# Altium PCB netv2mvp-pvt1b.PCBDOC (part 6 of 7) (continued)
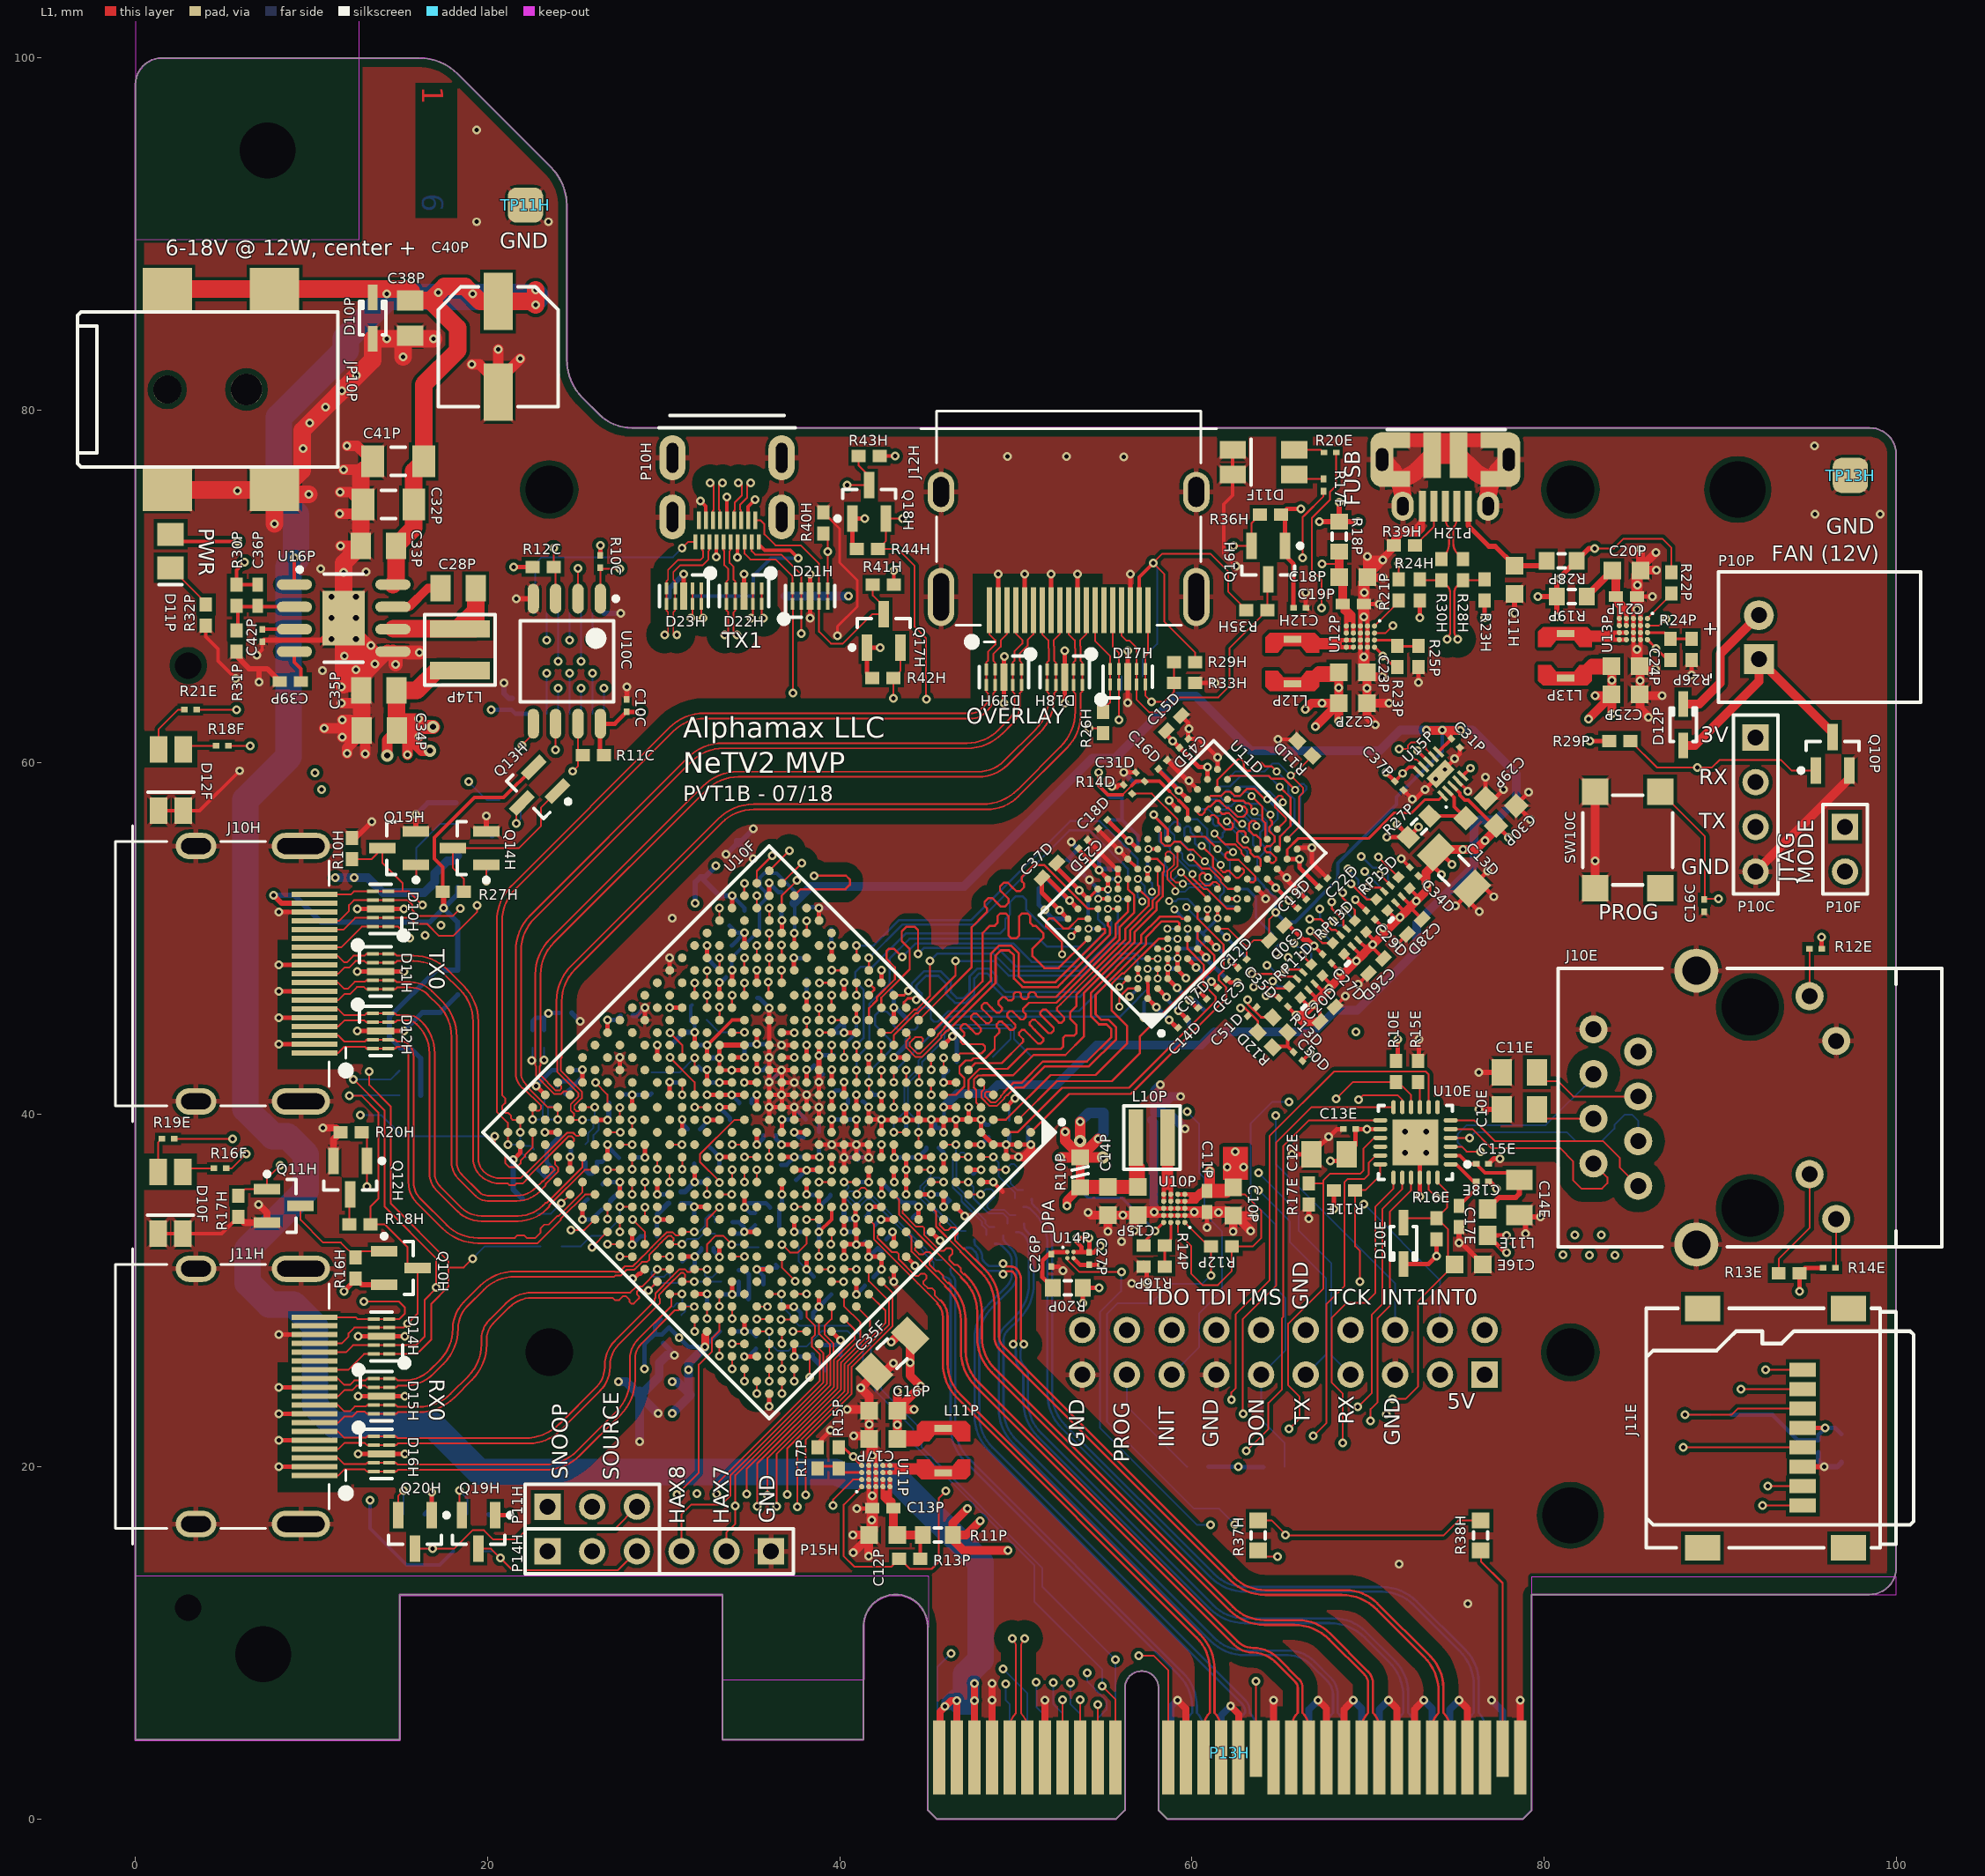
[diagram p0: L1 view]
## Nets (pads, with @x,y where several pads share a name; then routed paths per layer and width w, separated by ;. In a path a pad name is that pad's centre, name@x,y a point inside that pad or via, vN(x,y) a via of type N, cw(c..) or ccw(c..) an arc to the next point about the centre after c; other vN are vias at no path point) (continued)
  L6 w0.099: v1(31.75,30.515) 33.265,30.515 R12H.1@33.27,30.51
RX0_TMDS2_N: D16H.4 D16H.7 J11H.3 R11H.3 U10F.J22 | length 28.1
  L1 w0.099: J11H.3@10.16,20.5 11.51,20.5 11.86,20.15 13.075,20.15 13.15,20.225 D16H.4@13.538,20.225 D16H.7@14.413,20.225 14.8,20.225 14.9,20.125 23.248,20.125 ccw(c23.248,22.665) 25.044,20.869 27.331,23.156 ccw(c25.535,24.952) 28.075,24.952 28.075,26.112 cw(c29.638,26.112) 28.533,27.217 30.43,29.114 30.43,29.721 U10F.J22@30.343,29.808 v1(31.043,29.808)
  L6 w0.099: R11H.3@30.547,29.077 30.76,29.289 31.007,29.289 31.059,29.341 31.059,29.791 v1(31.043,29.808)
RX0_TMDS2_P: D16H.5 D16H.6 J11H.1 R11H.4 U10F.H22 | length 28.2
  L1 w0.099: J11H.1@10.16,19.5 11.51,19.5 11.86,19.85 13.025,19.85 13.15,19.725 D16H.5@13.538,19.725 D16H.6@14.413,19.725 14.8,19.725 14.9,19.825 23.247,19.825 ccw(c23.247,22.664) 25.254,20.657 27.542,22.945 ccw(c25.535,24.952) 28.374,24.952 28.374,26.109 cw(c29.641,26.109) 28.745,27.005 30.628,28.888 30.838,28.888 U10F.H22@31.05,29.101 v1(31.75,29.101)
  L6 w0.099: R11H.4@31.007,28.617 31.219,28.829 31.219,29.077 31.271,29.129 31.722,29.129 v1(31.75,29.101)
RX0_TMDS3_N: D15H.1 D15H.10 J11H.12 R14H.2 U10F.L19 | length 28.4
  L1 w0.099: J11H.12@10.16,25 11.51,25 11.86,24.65 12.175,24.65 12.425,24.9 13.05,24.9 13.15,25 D15H.1@13.538,25 D15H.10@14.413,25 14.8,25 14.9,24.9 15.275,24.9 ccw(c15.275,26.952) 16.726,25.501 17.283,26.058 ccw(c15.49,27.85) 18.025,27.85 cw(c20.132,27.85) 18.642,29.34 19.571,30.268 cw(c21.578,28.261) 21.578,31.1 27.21,31.1 27.25,31.06 27.477,31.06 27.807,31.39 28.247,31.39 28.386,31.529 28.388,31.529 28.622,31.763 28.622,31.765 29.093,32.236 29.095,32.236 29.329,32.47 29.329,32.472 29.8,32.943 29.802,32.943 30.036,33.177 30.036,33.179 30.167,33.31 30.518,33.31 30.697,33.131 30.838,33.131 U10F.L19@31.05,33.343 v1(31.75,33.343)
  L6 w0.099: v1(31.75,33.343) 32.013,33.343 32.36,33.69 32.36,34.08 32.59,34.31 32.76,34.31 32.91,34.16 R14H.2@32.91,33.89
RX0_TMDS3_P: D15H.2 D15H.9 J11H.10 R14H.1 U10F.L20 | length 28.4
  L1 w0.099: J11H.10@10.16,24 11.51,24 11.86,24.35 12.299,24.35 12.549,24.6 13.05,24.6 13.15,24.5 D15H.2@13.538,24.5 D15H.9@14.413,24.5 14.8,24.5 14.9,24.6 15.275,24.6 ccw(c15.275,26.949) 16.936,25.288 17.494,25.846 ccw(c15.49,27.85) 18.324,27.85 cw(c20.132,27.85) 18.854,29.129 19.781,30.056 cw(c21.577,28.26) 21.577,30.8 27.19,30.8 27.25,30.86 27.56,30.86 27.89,31.19 28.33,31.19 28.469,31.329 28.47,31.329 28.77,31.629 29.059,31.629 29.177,31.747 29.177,32.036 29.529,32.388 29.529,32.389 29.883,32.743 29.885,32.743 30.236,33.095 30.236,33.096 30.25,33.11 30.435,33.11 30.555,32.99 30.555,32.848 U10F.L20@30.343,32.636 v1(31.043,32.636)
  L6 w0.099: v1(31.043,32.636) 31.347,32.94 31.95,32.94 32.25,33.24 R14H.1@32.91,33.24
SD_CLK: J11E.5 U10F.K18 | length 69.1
  L1 w0.1: U10F.K18@32.464,33.343 32.464,34.039 v1(33.175,34.75) ; v1(87.9,21.1) J11E.5@94.7,21.1
  L3 w0.1: v1(33.175,34.75) 33.825,34.1 35.975,34.1 40.8,29.275 46.275,29.275 49.45,26.1 52.35,26.1 52.675,26.425 77.72,26.425 83.045,21.1 v1(87.9,21.1)
SD_CMD: J11E.3 R18E.2 U10F.L13 | length 72.4
  L1 w0.1: v1(34.593,37.586) U10F.L13@35.293,37.586 ; v1(88,22.95) 90.65,22.95 91,23.3 J11E.3@94.7,23.3
  L3 w0.1: v1(34.593,37.586) 33.729,37.586 33.164,37.02 33.164,36.736 34.036,35.864 34.037,35.864 34.845,35.057 36.543,35.057 38.657,32.943 39.118,32.943 39.3,33.125 39.604,33.125 41.339,31.39 41.339,30.886 42.4,29.825 46.825,29.825 47.3,29.35 52.575,29.35 53.05,28.875 82.95,28.875 88,23.825 v1(88,22.95)
  L6 w0.1: v1(88,22.95) R18E.2@89.425,22.95
SD_DAT0: J11E.7 U10F.L15 | length 69.5
  L1 w0.1: U10F.L15@33.879,36.172 v1(33.879,36.871) ; v1(92.7,18.9) J11E.7@94.7,18.9
  L3 w0.1: v1(33.879,36.871) 34.676,36.871 35.647,35.9 36.925,35.9 38.65,34.175 38.837,34.175 42.937,30.075 47.05,30.075 47.45,29.675 53.4,29.675 53.475,29.75 53.975,29.75 54.4,29.325 83.137,29.325 92.7,19.762 v1(92.7,18.9)
SD_DAT1: J11E.8 U10F.L16 | length 69.3
  L1 w0.1: U10F.L16@33.172,35.464 v1(33.871,35.464) ; v1(92.4,17.8) J11E.8@94.7,17.8
  L3 w0.1: v1(33.871,35.464) 33.871,34.779 34.301,34.349 34.751,34.349 36.967,34.35 38.767,32.55 38.925,32.55 41.9,29.575 46.675,29.575 48.175,28.075 51.55,28.075 52.825,26.8 77.875,26.8 82.4,22.275 87.925,22.275 v1(92.4,17.8) v1@92.425,17.8
SD_DAT2: J11E.1 U10F.K14 | length 68.6
  L1 w0.1: U10F.K14@35.293,36.172 v1(35.293,36.871) ; v1(92.575,25.5) J11E.1@94.7,25.5
  L3 w0.1: v1(35.293,36.871) 36.064,36.1 38.044,36.1 40.392,33.752 40.418,33.752 40.652,33.517 40.652,33.492 43.544,30.6 47.125,30.6 47.75,29.975 54.125,29.975 54.5,29.6 83.251,29.6 89.076,23.775 92.925,23.775 93.5,24.35 93.5,25.125 93.125,25.5 v1(92.575,25.5)
SD_DAT3: J11E.2 U10F.M13 | length 68
  L1 w0.1: v1(33.886,38.293) U10F.M13@34.586,38.293 ; v1(91.175,24.4) J11E.2@94.7,24.4
  L3 w0.1: v1(33.886,38.293) 34.677,38.293 35.113,38.729 35.536,38.729 37.839,36.425 38.001,36.425 40.475,33.952 40.5,33.952 40.852,33.6 40.852,33.574 43.451,30.975 47.175,30.975 47.875,30.275 53.1,30.275 53.525,30.7 55,30.7 55.8,29.9 83.375,29.9 88.875,24.4 v1(91.175,24.4)
SM_N: P13H.B5 U10F.D19 | length 36.3
  L1 w0.099: v1(35.3,28.393) U10F.D19@36,28.393 ; P13H.B5@49.65,3.5 49.65,5.154 cw(c50.847,5.154) 50,6 50,9.766 ccw(c49.316,9.766) v1(49.8,10.25)
  L4 w0.099: v1(35.3,28.393) 35,28.393 34.868,28.525 34.747,28.525 34.625,28.403 34.625,28.3 34.775,28.15 34.95,28.15 35.125,27.975 35.125,24.65 34.875,24.4 34.875,23.95 35.125,23.7 35.125,22.55 ccw(c37.112,22.55) 35.707,21.145 36.446,20.407 ccw(c38.453,22.414) 38.453,19.575 42.049,19.575 cw(c42.049,16.736) 44.057,18.743 49.169,13.631 cw(c47.162,11.624) 50.001,11.624 50.001,10.734 cw(c49.316,10.734) v1(49.8,10.25)
SM_P: P13H.B6 U10F.E19 | length 36.2
  L1 w0.099: U10F.E19@35.293,29.101 v1(35.9,29.101) v1@35.993,29.101 ; v1(50.5,10.25) ccw(c50.984,9.766) 50.299,9.766 50.299,6 cw(c49.453,5.154) 50.65,5.154 P13H.B6@50.65,3.5
  L4 w0.099: v1@35.993,29.101 35.993,28.293 35.425,27.726 35.425,24.65 35.7,24.375 35.7,23.95 35.425,23.675 35.425,22.55 ccw(c37.115,22.55) 35.92,21.355 36.657,20.618 ccw(c38.453,22.414) 38.453,19.874 42.297,19.874 cw(c42.297,17.334) 44.093,19.13 49.556,13.667 cw(c47.76,11.871) 50.3,11.871 50.3,10.734 ccw(c50.984,10.734) v1(50.5,10.25)
SS5.0: C39P.1 U16P.4 | length 2.4
  L1 w0.2: U16P.4@8.436,66.295 U16P.4@9.025,66.295 9.025,65.7 9.4,65.325 C39P.1@9.4,64.6
SW1.0: L10P.1 U10P.D3 U10P.D4 U10P.E3 U10P.E4 | length 7
  L1 w0.25: U10P.D4@58.4,35.075 58.4,35.85 ; U10P.D3@58.8,35.075 U10P.E3@58.8,35.475 58.8,35.85 ; L10P.1@58.8,37.6 58.8,35.85 ; 58.4,35.85 58.4,37.375 58.6,37.175 58.6,35.875 58.775,35.875 58.8,35.85 ; 58.4,35.85 58.8,35.85
SW1.5: L12P.1 U12P.D3 U12P.D4 U12P.E3 U12P.E4 | length 7
  L1 w0.25: 66.65,66.95 68.4,66.95 ; U12P.D4@69.175,66.55 68.4,66.55 ; U12P.D3@69.175,66.95 U12P.E3@68.775,66.95 68.4,66.95 ; 68.4,66.55 68.4,66.95 ; 68.4,66.55 66.875,66.55 67.075,66.75 68.375,66.75 68.375,66.925 68.4,66.95
SW1.8: L11P.1 U11P.D3 U11P.D4 U11P.E3 U11P.E4 | length 7
  L1 w0.25: U11P.D3@42.45,19.675 U11P.E3@42.85,19.675 43.225,19.675 ; U11P.D4@42.45,20.075 43.225,20.075 ; 44.975,19.675 43.225,19.675 ; 43.225,19.675 43.25,19.7 43.25,19.875 44.55,19.875 44.75,20.075 43.225,20.075 ; 43.225,19.675 43.225,20.075
SW3.3: L13P.1 U13P.D3 U13P.D4 U13P.E3 U13P.E4 | length 7
  L1 w0.25: 82.15,67.375 83.9,67.375 ; U13P.D4@84.675,66.975 83.9,66.975 ; U13P.D3@84.675,67.375 U13P.E3@84.275,67.375 83.9,67.375 ; 83.9,66.975 83.9,67.375 ; 83.9,66.975 82.375,66.975 82.575,67.175 83.875,67.175 83.875,67.35 83.9,67.375
SW5.0: C28P.1 L14P.1 U16P.6 | length 8.2
  L1 w1: U16P.6@14.645,67.585 L14P.1@18.425,67.585 19.29,67.585 19.325,67.62 19.325,68.625 ; L14P.1@18.425,67.725 19.325,68.625 ; C28P.1@19.325,69.9 19.325,68.625
SYSCLK: U10F.J19 U11F.3 | length 4.1
  L1 w0.1: U10F.J19@32.464,31.929 32.464,32.639 32.95,33.125 33.375,33.125 v1(33.875,32.625)
  L6 w0.1: v1(33.875,32.625) 34.55,32.625 34.71,32.465 U11F.3@35.394,32.465
TX0_SCL: P11H.3 Q20H.3 R47H.2 | length 15.2
  L1 w0.1: Q20H.3@15.865,15.35 18.1,15.35 19.15,16.4 19.8,16.4 20.325,15.875 21.65,15.875 22.25,16.475 27.215,16.475 P11H.3@28.48,17.74
  L6 w0.1: R47H.2@15.825,15.2 15.975,15.35 v1(16.875,15.35)
TX0_SCL_LV: Q20H.2 R48H.2 U10F.F21 | length 29.9
  L1 w0.1: Q20H.2@14.915,17.25 14.915,18.34 v1(15.225,18.65) ; v1(30.75,18.425) 32,19.675 32,25.8 32.75,26.55 32.75,27.3 33.172,27.722 U10F.F21@33.172,28.393
  L3 w0.1: v1(15.225,18.65) 15.7,19.125 30.05,19.125 v1(30.75,18.425)
  L6 w0.1: R48H.2@15.225,17.3 v1(15.225,18.65)
TX0_SDA: P14H.3 Q19H.3 R45H.2 | length 11.6
  L1 w0.1: Q19H.3@19.49,15.35 20.2,15.35 21.425,14.125 27.405,14.125 P14H.3@28.48,15.2
  L6 w0.1: R45H.2@19.25,15.2 20.35,15.2 v1(20.725,14.825)
TX0_SDA_LV: Q19H.2 R46H.2 U10F.H18 | length 32.7
  L1 w0.1: v1(18.4,18.65) 18.4,17.39 Q19H.2@18.54,17.25 ; U10F.H18@33.879,31.929 v1(34.578,31.929)
  L3 w0.1: v1(18.4,18.65) 18.625,18.875 29.325,18.875 30.6,17.6 31.025,17.6 v1(31.9,18.475)
  L4 w0.1: v1(31.9,18.475) 32.6,19.175 32.6,26.425 34.35,28.175 34.35,28.85 34.578,29.078 34.578,30.768 34.575,30.772 34.575,31.926 v1(34.578,31.929)
  L6 w0.1: v1(18.4,18.65) 18.85,18.2 R46H.2@18.85,17.3
TX0_TMDS0_N: D11H.4 D11H.7 J10H.9 U10F.W22 | length 25.1
  L1 w0.099: J10H.9@10.16,47.5 11.51,47.5 11.86,47.15 12.05,47.15 12.45,47.55 13.025,47.55 13.1,47.625 D11H.4@13.487,47.625 D11H.7@14.362,47.625 14.75,47.625 14.85,47.525 15.597,47.525 cw(c15.597,45.772) 16.836,47.011 17.417,46.43 cw(c15.41,44.423) 18.249,44.423 18.249,37.302 ccw(c19.277,37.302) 18.55,36.575 19.531,35.594 ccw(c20,36.064) 20,35.4 21.664,35.4 ccw(c21.664,36.936) 22.75,35.85 23.09,36.19 cw(c23.175,36.104) 23.175,36.225 23.8,36.85 23.8,36.916 23.683,37.033 23.497,37.033 23.343,36.879 U10F.W22@23.272,36.879
TX0_TMDS0_P: D11H.5 D11H.6 J10H.7 U10F.W21 | length 25.7
  L1 w0.099: J10H.7@10.16,46.5 11.51,46.5 11.86,46.85 12.174,46.85 12.574,47.25 12.975,47.25 13.1,47.125 D11H.5@13.487,47.125 D11H.6@14.362,47.125 14.75,47.125 14.85,47.225 15.599,47.225 cw(c15.599,45.774) 16.625,46.8 17.206,46.219 cw(c15.41,44.423) 17.95,44.423 17.95,37.302 ccw(c19.277,37.302) 18.339,36.364 19.319,35.383 ccw(c20,36.064) 20,35.101 21.664,35.101 ccw(c21.664,36.936) 22.961,35.639 23.253,35.93 ccw(c23.099,36.084) 23.316,36.084 24,36.767 24,36.999 23.825,37.175 23.825,37.361 23.979,37.515 U10F.W21@23.979,37.586
TX0_TMDS1_N: D12H.1 D12H.10 J10H.6 U10F.V20 | length 26.4
  L1 w0.099: J10H.6@10.16,46 11.51,46 11.86,45.65 13,45.65 13.1,45.75 D12H.1@13.487,45.75 D12H.10@14.362,45.75 14.75,45.75 14.85,45.65 15.465,45.65 cw(c15.465,44.665) 16.161,45.361 16.257,45.266 cw(c14.467,43.475) 16.999,43.475 16.999,36.652 ccw(c18.027,36.652) 17.3,35.925 18.498,34.727 ccw(c19.65,35.88) 19.65,34.25 21.726,34.25 ccw(c21.726,36.252) 23.142,34.836 23.289,34.983 23.357,34.983 25.393,37.02 U10F.V20@25.393,37.586
TX0_TMDS1_P: D12H.2 D12H.9 J10H.4 U10F.U20 | length 26.6
  L1 w0.099: J10H.4@10.16,45 11.51,45 11.86,45.35 13,45.35 13.1,45.25 D12H.2@13.487,45.25 D12H.9@14.362,45.25 14.75,45.25 14.85,45.35 15.467,45.35 cw(c15.467,44.667) 15.95,45.15 16.046,45.054 cw(c14.467,43.475) 16.7,43.475 16.7,36.652 ccw(c18.027,36.652) 17.089,35.714 18.286,34.516 ccw(c19.65,35.88) 19.65,33.951 21.726,33.951 ccw(c21.726,36.255) 23.356,34.626 23.498,34.768 23.498,34.842 25.535,36.879 U10F.U20@26.101,36.879
TX0_TMDS2_N: D12H.4 D12H.7 J10H.3 U10F.U21 | length 26.5
  L1 w0.099: J10H.3@10.16,44.5 11.51,44.5 11.86,44.15 13.025,44.15 13.1,44.225 13.1,44.25 D12H.4@13.488,44.25 13.875,44.25 D12H.7@14.362,44.25 14.75,44.25 14.85,44.15 15.117,44.15 cw(c15.117,43.592) 15.511,43.986 cw(c14.817,43.292) 15.799,43.292 15.799,36.168 ccw(c17.168,36.168) 16.2,35.2 17.656,33.744 ccw(c19.452,35.54) 19.452,33 21.55,33 21.7,33.15 22.075,33.15 22.225,33 22.716,33 23,33.284 23,33.525 23.23,33.755 23.47,33.755 23.952,34.236 24.024,34.236 25.393,35.606 U10F.U21@25.393,36.172
TX0_TMDS2_P: D12H.5 D12H.6 J10H.1 U10F.T21 | length 26.5
  L1 w0.099: J10H.1@10.16,43.5 11.51,43.5 11.86,43.85 13.025,43.85 13.1,43.775 13.1,43.75 D12H.5@13.487,43.75 D12H.6@14.362,43.75 14.75,43.75 14.85,43.85 15.119,43.85 cw(c15.119,43.594) 15.3,43.775 cw(c14.817,43.292) 15.5,43.292 15.5,36.168 ccw(c17.168,36.168) 15.989,34.989 17.446,33.532 ccw(c19.453,35.539) 19.453,32.7 22.84,32.7 24.165,34.025 24.165,34.095 25.535,35.464 U10F.T21@26.101,35.464
TX0_TMDS3_N: D11H.1 D11H.10 J10H.12 U10F.W19 | length 27.2
  L1 w0.099: J10H.12@10.16,49 11.51,49 11.86,48.65 12,48.65 12.375,49.025 13,49.025 13.1,49.125 D11H.1@13.487,49.125 D11H.10@14.362,49.125 14.75,49.125 14.85,49.025 15.808,49.025 cw(c15.808,46.333) 17.711,48.236 18.642,47.305 cw(c16.635,45.298) 19.474,45.298 19.474,37.502 ccw(c20.502,37.502) 19.775,36.775 ccw(c20.704,37.704) 20.704,36.39 21.866,36.39 22.133,36.658 22.202,36.658 24.515,38.97 24.858,38.97 25.04,38.788 25.181,38.788 U10F.W19@25.393,39
TX0_TMDS3_P: D11H.2 D11H.9 J10H.10 U10F.W20 | length 27.2
  L1 w0.099: J10H.10@10.16,48 11.51,48 11.86,48.35 12.124,48.35 12.499,48.725 13,48.725 13.1,48.625 D11H.2@13.487,48.625 D11H.9@14.362,48.625 14.75,48.625 14.85,48.725 15.81,48.725 cw(c15.81,46.335) 17.5,48.025 18.431,47.094 cw(c16.635,45.298) 19.175,45.298 19.175,37.502 ccw(c20.502,37.502) 19.564,36.564 ccw(c20.707,37.707) 20.707,36.09 21.15,36.09 21.24,36 21.55,36 21.64,36.09 21.99,36.09 22.344,36.444 22.344,36.516 24.598,38.77 24.775,38.77 24.898,38.646 24.898,38.505 U10F.W20@24.686,38.293
TX1_CEC: D21H.1 D21H.10 P10H.15 U10F.P17 | length 46.2
  L1 w0.1: v1(30.343,36.179) U10F.P17@30.343,36.879 ; P10H.15@34.6,72.525 34.6,71.85 34.925,71.525 36.35,71.525 37.325,70.55 D21H.10@37.325,69.888 D21H.1@37.325,69.013 37.35,68.988 v1(37.35,63.95)
  L4 w0.1: v1(30.343,36.179) 30.343,36.957 30.225,37.075 30.225,38.975 29.825,39.375 29.825,41.325 28.95,42.2 28.95,45.35 29.375,45.775 29.375,46.675 28.825,47.225 28.825,59.9 32.875,63.95 v1(37.35,63.95)
TX1_CLK_N: D22H.1 D22H.10 P10H.14 U10F.G21 | length 67.1
  L1 w0.099: v1(32.464,28.401) U10F.G21@32.464,29.101 ; P10H.14@34.4,73.75 34.4,74.3 34.35,74.35 34.35,74.65 34.75,75.05 v1@34.75,75.875 ; D22H.1@35.575,69.888 D22H.10@35.575,69.013 35.575,68.3 v1(35.675,68.2)
  L3 w0.099: v1(32.464,28.401) 32.456,28.392 31.932,28.392 31.674,28.65 27.624,28.65 27.1,29.174 27.1,29.52 19.84,36.78 19.84,43.766 35.475,59.401 35.475,68 v1(35.675,68.2) ; v1(34.95,75.875) 34.75,75.675 34.75,73.675 35.475,72.95 v1@35.475,68.2
TX1_CLK_P: D22H.2 D22H.9 P10H.12 U10F.G22 | length 67.3
  L1 w0.099: v1(31.757,27.694) U10F.G22@31.757,28.393 ; P10H.12@34,73.75 34,74.3 34.05,74.35 34.05,74.774 34.45,75.174 v1@34.45,75.875 ; v1(34.975,68.2) 35.075,68.3 D22H.9@35.075,69.013 D22H.2@35.075,69.888
  L3 w0.099: v1(31.757,27.694) 31.757,28.143 31.55,28.35 27.5,28.35 26.8,29.05 26.8,29.396 19.54,36.656 19.54,43.89 35.175,59.525 35.175,68 v1(34.975,68.2) ; v1(34.25,75.875) 34.45,75.675 34.45,73.551 35.175,72.826 v1@35.175,68.2
TX1_HDMI_5V: D20H.1 F11H.2 P10H.19 | length 10.2
  L1 w0.2: P10H.19@35.4,72.525 35.4,72.4 35.75,72.05 37.2,72.05 v1(37.65,71.6)
  L6 w0.2: D20H.1@31.7,69.45 F11H.2@35.1,69.45 35.1,70.6 36.1,71.6 v1(37.65,71.6)
TX1_HPD: D21H.5 D21H.6 P10H.1 R40H.2 U10H.1 | length 24.9
  L1 w0.1: v1(31.05,72.175) 31.4,72.525 P10H.1@31.8,72.525 ; D21H.5@39.325,69.013 D21H.6@39.325,69.888 v1(39.325,71.963) R40H.2@39.325,72.75
  L4 w0.1: v1(31.05,72.175) 31.525,72.65 34.675,72.65 35.175,72.15 38.075,72.15 38.262,71.963 v1(39.325,71.963)
  L6 w0.1: U10H.1@22.7,68.475 22.7,71.275 23.075,71.65 30.525,71.65 v1(31.05,72.175)
TX1_HPD_LL: U10F.U18 U10H.2 | length 35
  L1 w0.1: U10F.U18@27.515,38.293 v1(28.214,38.293)
  L4 w0.1: v1(23.35,66.95) 24.1,66.2 26.15,66.2 27.025,65.325 27.025,46.3 26.4,45.675 26.4,42.9 27.2,42.1 27.2,41.287 27.975,40.512 27.975,40.3 27.55,39.875 27.55,39.575 27.975,39.15 27.975,38.532 v1(28.214,38.293)
  L6 w0.1: v1(23.35,66.95) U10H.2@23.35,68.475
TX1_SCL: D21H.2 D21H.9 P10H.17 Q18H.3 R43H.2 | length 19.9
  L1 w0.1: P10H.17@35,72.525 35,72 35.2,71.8 36.675,71.8 37.825,70.65 D21H.9@37.825,69.888 D21H.2@37.825,69.013 v1(37.825,67.325) ; v1(40.425,75.75) Q18H.3@41.675,75.75 41.675,76.25 41.075,76.85 R43H.2@41.075,77.4
  L3 w0.1: v1(37.825,67.325) 37.825,71.05 38.3,71.525 38.3,73.625 v1(40.425,75.75)
TX1_SCL_LV: Q18H.2 R44H.2 U10F.P16 | length 55
  L1 w0.1: v1(31.05,36.886) U10F.P16@31.05,37.586 ; v1(43.575,73.85) Q18H.2@42.625,73.85 42.625,72.575 R44H.2@42.175,72.125 43.275,72.125 44.25,71.15 44.25,67.7 44.9,67.05 v1@44.9,63.7
  L4 w0.1: v1(31.05,36.886) 31.05,37.675 31.575,38.2 31.575,39.9 30.55,40.925 30.55,41.35 30.75,41.55 30.75,42.15 29.8,43.1 29.8,43.45 30.1,43.75 30.1,44.15 29.935,44.315 29.935,47.465 29.525,47.875 29.525,59.5 33.05,63.025 44.35,63.025 v1(44.925,63.6)
TX1_SDA: D21H.4 D21H.7 P10H.18 Q17H.3 R41H.2 | length 15.4
  L1 w0.1: P10H.18@35.2,73.75 35.5,73.75 35.725,73.525 35.725,72.95 36.35,72.325 37.775,72.325 38.825,71.275 D21H.7@38.825,69.888 D21H.4@38.825,69.013 38.825,67.425 39.5,66.75 40.175,66.75 41.85,68.425 Q17H.3@42.5,68.425 42.5,68.85 41.875,69.475 R41H.2@41.875,70.1
TX1_SDA_LV: Q17H.2 R42H.2 U10F.R16 | length 41.8
  L1 w0.1: U10F.R16@30.343,38.293 v1(31.043,38.293) ; v1(43.05,63.65) R42H.2@43.05,64.8 43.45,65.2 Q17H.2@43.45,66.525
  L4 w0.1: v1(31.043,38.293) 31.043,38.857 30.125,39.775 30.125,41.4 29.225,42.3 29.225,45.125 29.675,45.575 29.675,46.9 29.2,47.375 29.2,59.7 32.925,63.425 37.975,63.425 38.2,63.65 v1(43.05,63.65)
TX1_TMDS0_N: D22H.4 D22H.7 P10H.11 U10F.E22 | length 70.1
  L1 w0.099: v1(33.172,26.279) U10F.E22@33.172,26.979 ; P10H.11@33.8,72.525 33.8,72.05 33.75,72 33.75,71.325 33.975,71.1 33.975,70.375 34.075,70.275 D22H.4@34.075,69.888 D22H.7@34.075,69.013 34.075,68.625 33.975,68.525 v1@33.975,67.25
  L3 w0.099: v1(33.172,26.279) 33.172,25.784 31.507,24.12 21.79,24.12 18.055,27.855 18.055,44.201 33.975,60.121 33.975,67.05 v1(34.175,67.25)
TX1_TMDS0_P: D22H.5 D22H.6 P10H.9 U10F.D22 | length 70.8
  L1 w0.099: P10H.9@33.4,72.525 33.4,72.05 33.45,72 33.45,71.201 33.675,70.976 33.675,70.375 33.575,70.275 D22H.5@33.575,69.888 D22H.6@33.575,69.013 33.575,68.625 33.675,68.525 v1@33.675,67.25 ; v1(33.879,25.572) U10F.D22@33.879,26.272
  L3 w0.099: v1(33.475,67.25) 33.675,67.05 33.675,60.246 17.755,44.326 17.755,27.731 21.666,23.82 31.631,23.82 33.384,25.572 v1(33.879,25.572)
TX1_TMDS1_N: D23H.1 D23H.10 P10H.8 U10F.C22 | length 82.2
  L1 w0.099: D23H.1@32.15,69.888 D23H.10@32.15,69.013 32.15,68.3 v1(32.25,68.2) ; v1@33.15,75.875 33.15,74.35 33.2,74.3 P10H.8@33.2,73.75 ; v1(34.586,24.865) U10F.C22@34.586,25.565
  L3 w0.099: v1@32.05,68.2 32.05,72.126 33.15,73.226 33.15,75.675 v1(33.35,75.875) ; v1(32.25,68.2) 32.05,68 32.05,60.919 16.39,45.259 16.39,26.55 20.55,22.39 32.606,22.39 34.586,24.37 v1(34.586,24.865)
TX1_TMDS1_P: D23H.2 D23H.9 P10H.6 U10F.B22 | length 83
  L1 w0.099: v1(31.55,68.2) 31.65,68.3 D23H.9@31.65,69.013 D23H.2@31.65,69.888 ; P10H.6@32.8,73.75 32.8,74.3 32.85,74.35 v1@32.85,75.875 ; v1(35.293,24.158) U10F.B22@35.293,24.858
  L3 w0.099: v1(31.55,68.2) 31.75,68 31.75,61.043 16.09,45.383 16.09,26.426 20.426,22.09 32.73,22.09 34.798,24.158 v1(35.293,24.158) ; v1@31.75,68.2 31.75,72.25 32.85,73.35 32.85,75.675 v1(32.65,75.875)
TX1_TMDS2_N: D23H.4 D23H.7 P10H.5 U10F.B21 | length 82.5
  L1 w0.099: v1@30.55,67.25 30.55,68.525 30.65,68.625 D23H.7@30.65,69.013 D23H.4@30.65,69.888 30.65,70.275 30.55,70.375 30.55,70.8 30.95,71.2 32.224,71.2 32.55,71.526 32.55,72 32.6,72.05 P10H.5@32.6,72.525 ; v1(36,24.865) U10F.B21@36,25.565
  L3 w0.099: v1(30.75,67.25) 30.55,67.05 30.55,61.54 14.63,45.62 14.63,23.7 17.57,20.76 32.4,20.76 35.35,23.71 35.41,23.71 35.745,24.044 35.745,24.115 36,24.37 v1(36,24.865)
TX1_TMDS2_P: D23H.5 D23H.6 P10H.3 U10F.A21 | length 83.3
  L1 w0.099: v1@30.25,67.25 30.25,68.525 30.15,68.625 D23H.6@30.15,69.013 D23H.5@30.15,69.888 30.15,70.275 30.25,70.375 30.25,70.924 30.826,71.5 32.1,71.5 32.25,71.65 32.25,72 32.2,72.05 P10H.3@32.2,72.525 ; v1(36.707,24.158) U10F.A21@36.707,24.858
  L3 w0.099: v1(30.05,67.25) 30.25,67.05 30.25,61.664 14.33,45.744 14.33,23.576 17.446,20.46 32.524,20.46 35.552,23.487 35.552,23.568 35.886,23.903 35.957,23.903 36.212,24.158 v1(36.707,24.158)
TX_HDMI_5V: D13H.1 F10H.2 J10H.18 Q13H.2 R27H.1 R49H.1 R50H.1 | length 40.5
  L1 w0.2: R27H.1@17.45,52.65 17.45,54.05 16.975,54.525 16.975,55.725 19.25,58 20.907,58 Q13H.2@22.625,59.718
  L1 w0.3: v1(7.85,52.45) 8.3,52 J10H.18@10.16,52 ; R27H.1@17.45,52.65 17.5,52.6 v1(17.5,51.725)
  L6 w0.3: v1(7.85,52.45) 9.025,52.45 10.55,50.925 13.925,50.925 16.7,50.925 v1(17.5,51.725) ; R50H.1@16.2,41.1 R49H.1@16.2,42.5 16.2,43.2 15.625,43.775 15.05,43.775 14.425,44.4 14.425,45.55 17.075,48.2 D13H.1@18.3,48.2 18.3,50.925 v1(17.5,51.725) ; F10H.2@18.3,52.9 18.3,52.525 v1(17.5,51.725)
UART0_RX: P10C.2 P11C.7 U10F.E13 | length 108
  L1 w0.1: v1@39.536,32.647 U10F.E13@39.536,33.343
  L3 w0.1: v1(63.8,36.688) 64.987,36.688 68.6,33.075 70.95,33.075 72.825,31.2 85.825,31.2 86.625,30.4 91.725,30.4 93.275,31.95 93.275,32.85 98.6,38.175 98.6,57.2 97.967,57.833 93.067,57.833 P10C.2@92.02,58.88
  L4 w0.1: v1@39.536,32.647 40.222,32.647 41.1,33.525 42.55,33.525 42.875,33.85 45.875,33.85 46.2,33.525 50.5,33.525 52.3,35.325 62.437,35.325 v1(63.8,36.688)
  L6 w0.1: v1(63.8,36.688) 66.075,34.412 66.075,33.4 67.925,31.55 67.925,26.315 P11C.7@69.01,25.23
  other v1: 39.5,32.64
UART0_TX: P10C.3 P11C.9 U10F.E14 | length 116.3
  L1 w0.1: v1(38.828,31.94) U10F.E14@38.828,32.636
  L3 w0.1: v1(63.8,35.7) 67.075,32.425 70.4,32.425 72.025,30.8 85.175,30.8 86.2,29.775 92.2,29.775 94.725,32.3 96.8,32.3 99.125,34.625 99.125,57.555 96.58,60.1 91.4,60.1 90.7,59.4 90.7,57.66 P10C.3@92.02,56.34
  L4 w0.1: v1(38.828,31.94) 39.54,31.94 39.95,32.35 40.5,32.35 40.7,32.15 41.175,32.15 41.775,32.75 43.675,32.75 44.45,33.525 45.8,33.525 46.1,33.225 51.675,33.225 52.725,34.275 53.175,34.275 53.9,35 63.1,35 v1(63.8,35.7)
  L6 w0.1: v1(63.8,35.7) 65.575,33.925 65.575,32.75 67.625,30.7 67.625,26.385 P11C.9@66.47,25.23
VFB5.0: C36P.2 R30P.1 R31P.2 U16P.2 | length 4.5
  L1 w0.2: R31P.2@5.815,67.565 5.815,68.835 U16P.2@9.025,68.835
VREG5.0: C42P.1 U16P.3 | length 1.8
  L1 w0.2: C42P.1@7.2,67.565 U16P.3@9.025,67.565
VTT: C13D.1 C20D.1 C26D.1 C27D.2 C28D.1 C29D.2 C30P.1 C33D.2 C34D.2 C35D.2 C42D.2 C43D.2 RP10D.1 RP10D.2 RP10D.3 RP10D.4 RP11D.1 RP11D.2 RP11D.3 RP11D.4 RP12D.1 RP12D.2 RP12D.3 RP12D.4 RP13D.1 RP13D.2 RP13D.3 RP13D.4 RP14D.1 RP14D.2 RP14D.3 RP14D.4 RP15D.1 RP15D.2 RP15D.3 RP15D.4 U15P.3 U15P.5 | length 72.6
  L1 w0.2: C35D.2@65.448,46.133 v1(65.925,45.656) 66.306,45.276 ; RP11D.1@66.164,46.637 66.551,46.25 v1(66.875,46.25) ; RP11D.2@66.615,47.088 67.15,46.553 67.15,46.525 ; RP11D.3@66.968,47.442 67.51,46.9 67.525,46.9 ; C20D.1@67.276,45.276 67.276,45.85 v1(66.875,46.25) ; RP11D.4@67.419,47.892 67.8,47.511 v1(67.8,47.175) 67.525,46.9 ; C27D.2@67.923,48.608 v1(68.4,48.131) ; RP13D.1@68.639,49.112 69.026,48.725 v1(69.35,48.725) ; RP13D.2@69.09,49.563 69.615,49.037 69.662,49.037 ; RP13D.3@69.443,49.916 69.985,49.375 70,49.375 ; RP13D.4@69.894,50.367 70.275,49.986 v1(70.275,49.65) ; v1@70.137,49.512 70.237,49.512 C26D.1@70.879,48.87 ; C29D.2@70.398,51.083 v1(70.875,50.606) ; RP15D.1@71.114,51.587 71.501,51.2 v1(71.825,51.2) ; RP15D.2@71.564,52.038 72.112,51.49 72.112,51.487 ; RP15D.3@71.918,52.391 72.45,51.859 72.45,51.85 ; RP15D.4@72.369,52.842 72.75,52.461 v1(72.75,52.125) ; 72.375,51.75 72.424,51.75 C28D.1@73.079,51.095 ; C34D.2@72.873,53.558 v1@73.3,53.131 ; U15P.3@74.816,58.666 75.225,58.256 75.225,58.125 75.5,57.85 75.7,57.85 77.141,56.409 C30P.1@77.284,56.409 ; U15P.5@75.381,59.231 v1(75.825,59.675) ; v1(66.875,46.25) 67.15,46.525 ; 67.15,46.525 67.525,46.9
  L1 w0.25: C13D.1@73.675,54.15 73.688,54.138 v1(74.181,53.644) ; C13D.1@74.275,54.725 v1(74.781,54.219) ; C30P.1@77.475,56.25 v1(77.981,55.744)
  L1 w0.5: C20D.1@67.276,45.276 66.306,45.276 v1(65.925,45.656) 66.281,45.656 v1(66.875,46.25) v1(69.35,48.725) 69.662,49.037 70,49.375 70.137,49.512 v1(70.275,49.65) v1(71.825,51.2) 72.112,51.487 72.375,51.75 v1(72.75,52.125) 73.35,52.725 v1(73.35,53.081) ; v1@73.3,53.131 73.3,53.75 73.688,54.138 74.275,54.725 74.6,55.05 v1(75.39,55.05) 76.125,55.05 v1(76.644,55.569) 77.15,56.075 77.284,56.209 C30P.1@77.284,56.409
  L3 w0.2: v1(68.4,48.131) 68.4,49.25 76.35,57.2 76.35,58.6 75.825,59.125 v1(75.825,59.675)
  L6 w0.2: C33D.2@65.448,46.133 v1(65.925,45.656) ; RP10D.4@66.164,46.637 66.551,46.25 v1(66.875,46.25) v1(67.8,47.175) 67.8,47.511 RP10D.1@67.419,47.892 ; RP10D.3@66.615,47.088 67.15,46.552 ; RP10D.2@66.968,47.442 67.51,46.9 ; C42D.2@67.923,48.608 v1(68.4,48.131) ; RP12D.4@68.639,49.112 69.026,48.725 v1(69.35,48.725) v1(70.275,49.65) 70.275,49.986 RP12D.1@69.894,50.367 ; RP12D.3@69.09,49.563 69.625,49.027 ; RP12D.2@69.443,49.916 69.984,49.375 ; C43D.2@70.398,51.083 v1(70.875,50.606) ; RP14D.4@71.114,51.587 71.501,51.2 v1(71.825,51.2) v1(72.75,52.125) 72.75,52.461 RP14D.1@72.369,52.842 ; RP14D.3@71.564,52.038 72.1,51.502 ; RP14D.2@71.918,52.391 72.459,51.85